# Altium PCB Acquisition-System_V1.0.PcbDoc (part 3 of 5)
Units mil, origin at the board's own origin, x right, y up, seen from the top; angles counter-clockwise.
Board outline 4370.08 x 5629.92 mil, 4 copper layers (Top Layer, Mid-Layer 1, Mid-Layer 2, Bottom Layer), stack 62.135 mil thick; 241 components, 167 nets, 1010 pads, 677 vias.
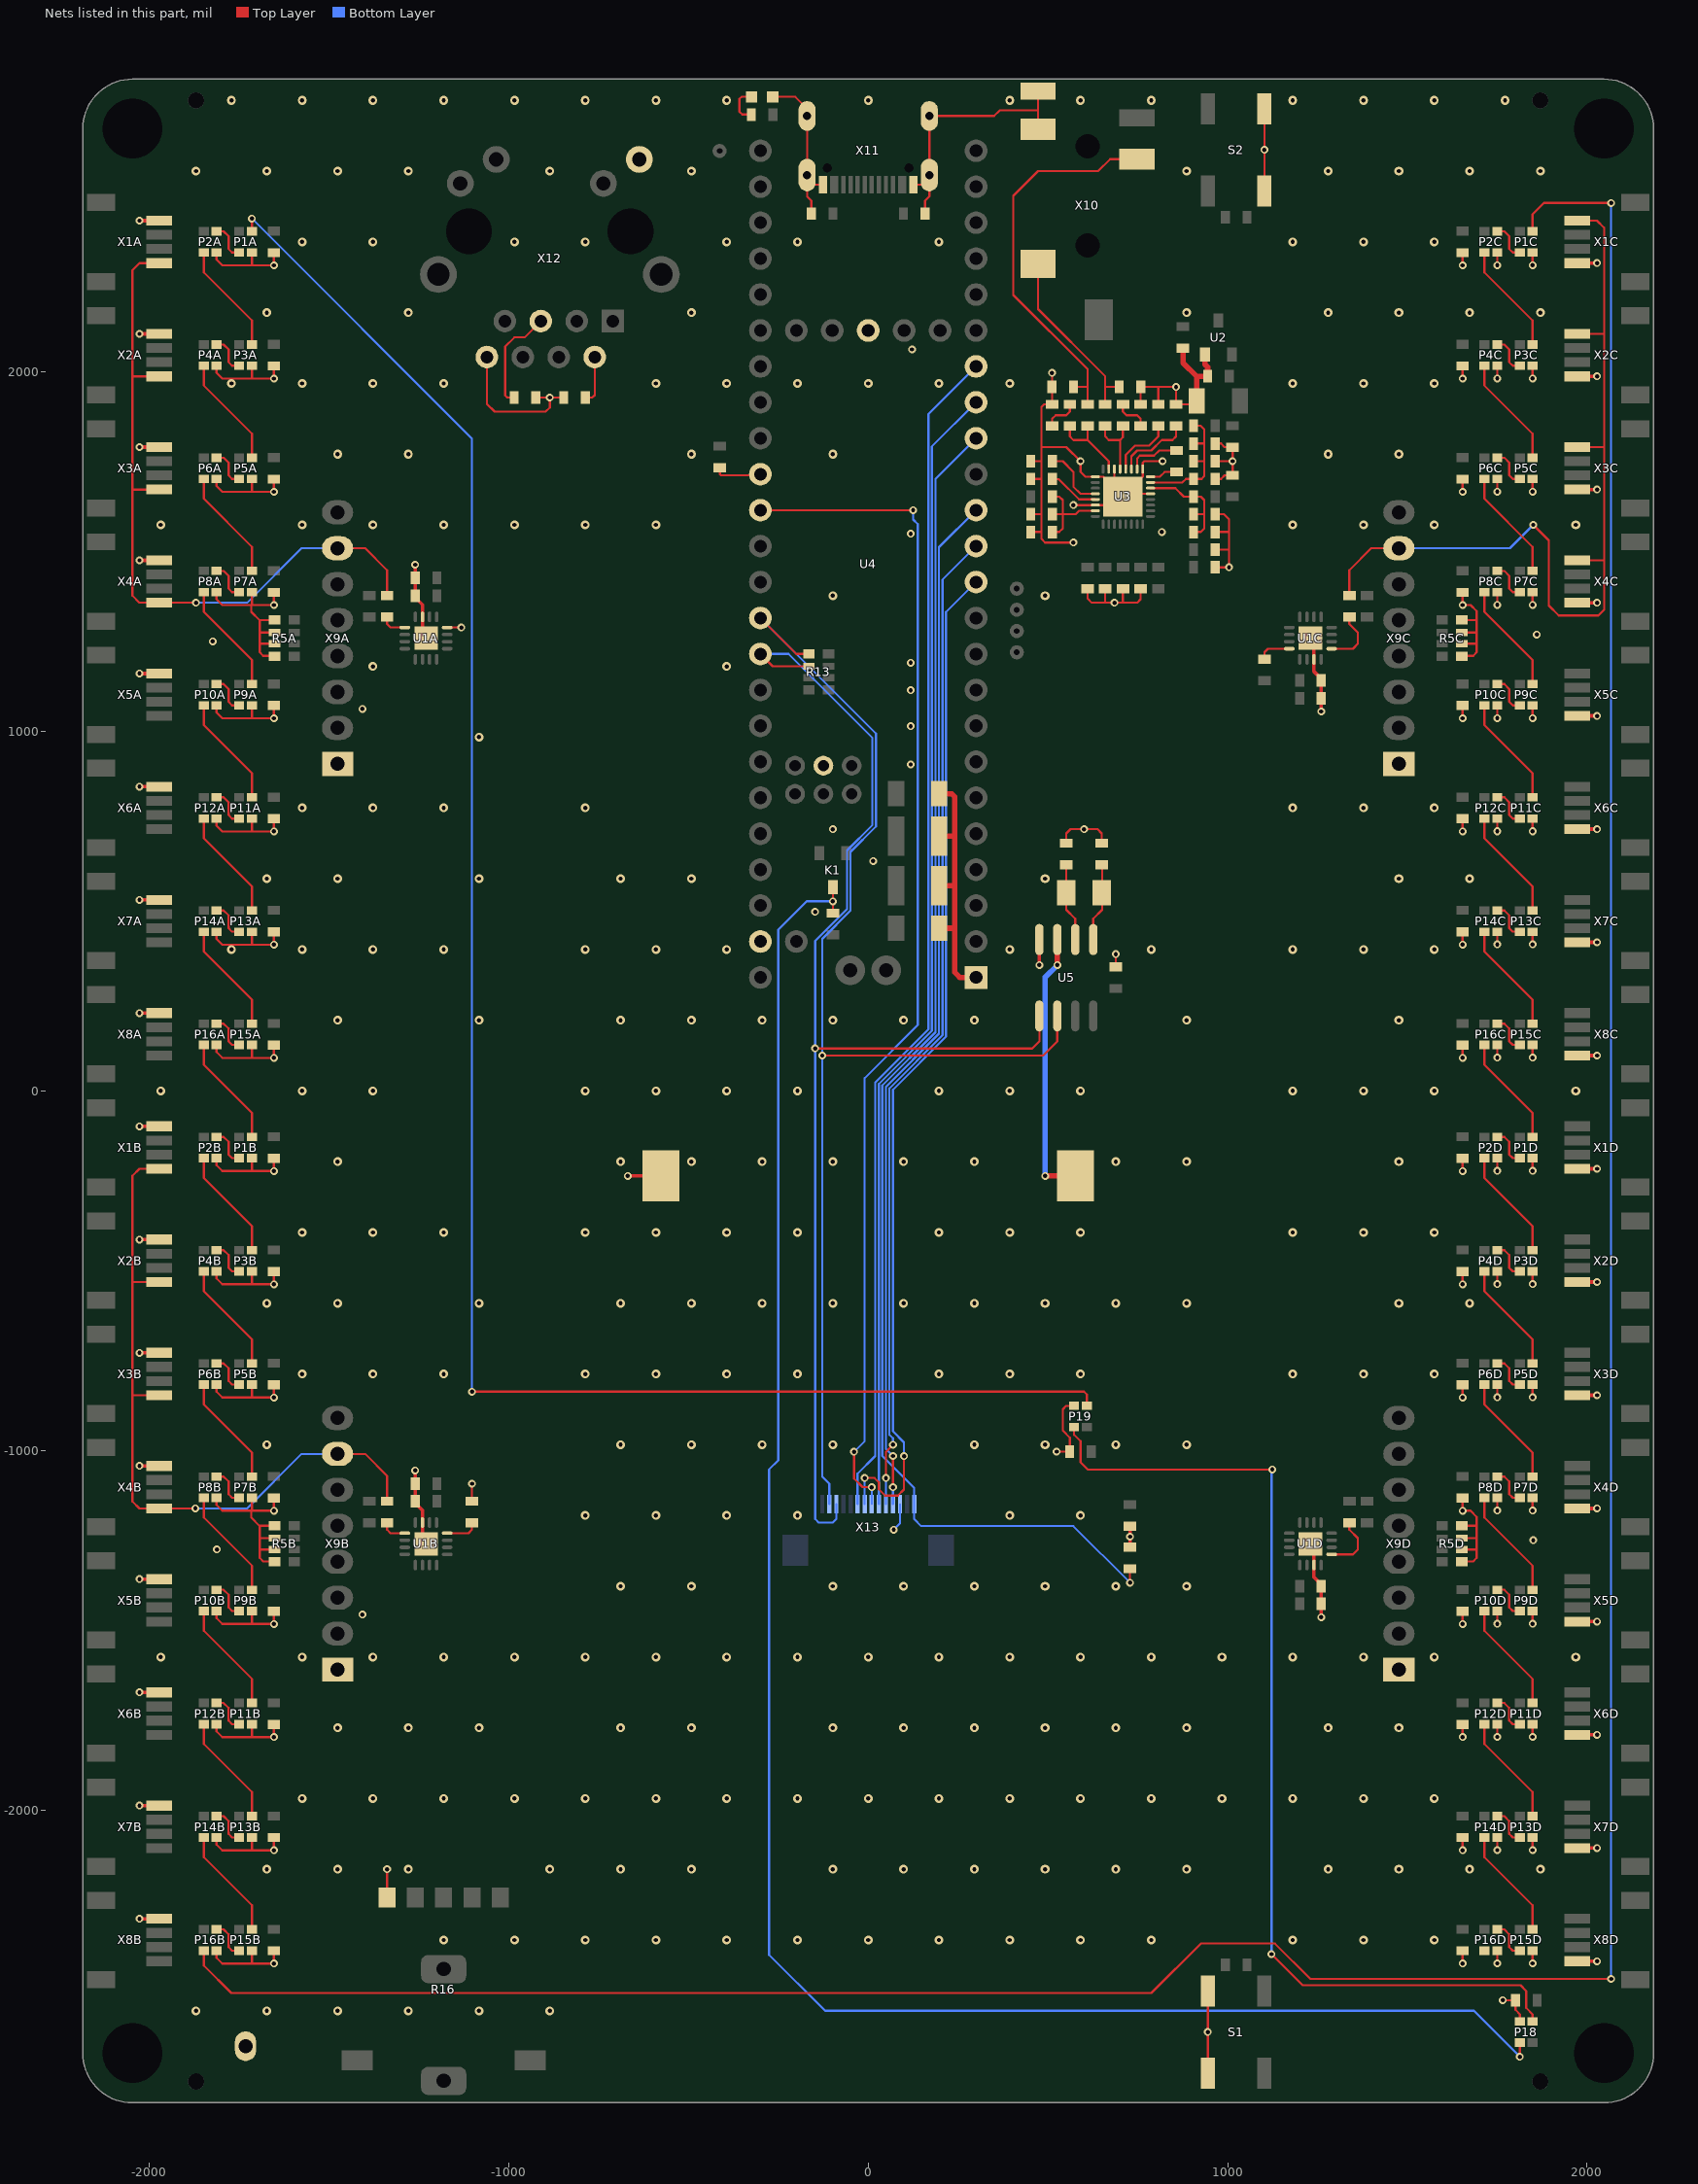
[diagram p5: the nets of this part, all layers, seen from the top]

## Via types
v1: diameter 21.65, hole 11.81, Top Layer to Bottom Layer, tented both sides, 388 vias
v2: diameter 24.41, hole 11.81, Top Layer to Bottom Layer, tented both sides, 289 vias

## Nets (pads, with @x,y where several pads share a name; then routed paths per layer and width w, separated by ;. In a path a pad name is that pad's centre, name@x,y a point inside that pad or via, vN(x,y) a via of type N, cw(c..) or ccw(c..) an arc to the next point about the centre after c; other vN are vias at no path point) (continued)
GND: BAT1.2 C1A.1 C1B.1 C1C.1 C1D.1 C2A.1 C2B.1 C2C.1 C2D.1 C3A.1 C3B.1 C3C.1 C3D.1 C4A.1 C4B.1 C4C.1 C4D.1 C5A.1 C5B.1 C5C.1 C5D.1 C6A.1 C6B.1 C6C.1 C6D.1 C7A.1 C7B.1 C7C.1 C7D.1 C8A.1 C8B.1 C8C.1 C8D.1 C9A.1 C9B.1 C9C.1 C9D.1 C10A.1 C10B.1 C10C.1 C10D.1 C11.1 C12.1 C13.1 C14.1 C15.1 C16.1 C17.1 C18.1 C19.1 C20.1 C21.1 C22.1 C23.1 C24.1 C26.1 C27.1 C28.1 C29.1 C30.1 C31.1 C32.2 C33.2 C34.M C35.1 C36.M C37.1 C38.1 C39.1 C40.1 C41.1 C42.1 C43.1 C44.1 C45.2 C46.2 P1A.3 P1B.3 P1C.3 P1D.3 P2A.3 P2B.3 P2C.3 P2D.3 P3A.3 P3B.3 P3C.3 P3D.3 P4A.3 P4B.3 P4C.3 P4D.3 P5A.3 P5B.3 P5C.3 P5D.3 P6A.3 P6B.3 P6C.3 P6D.3 P7A.3 P7B.3 P7C.3 P7D.3 P8A.3 P8B.3 P8C.3 P8D.3 P9A.3 P9B.3 P9C.3 P9D.3 P10A.3 P10B.3 P10C.3 P10D.3 P11A.3 P11B.3 P11C.3 P11D.3 P12A.3 P12B.3 P12C.3 P12D.3 P13A.3 P13B.3 P13C.3 P13D.3 P14A.3 P14B.3 P14C.3 P14D.3 P15A.3 P15B.3 P15C.3 P15D.3 P16A.3 P16B.3 P16C.3 P16D.3 P17.K P18.3 P19.3 R1.1 R5A.5 R5A.6 R5A.7 R5A.8 R5B.5 R5B.6 R5B.7 R5B.8 R5C.5 R5C.6 R5C.7 R5C.8 R5D.5 R5D.6 R5D.7 R5D.8 R9.1 R10.1 R11.1 R12.1 R14.2 R15.2 R16.CW R20.1 S1.2 S2.2 TP6.1 U1A.12 U1A.15 U1A.PAD U1B.15 U1B.PAD U1C.15 U1C.PAD U1D.15 U1D.PAD U2.1 U3.5 U3.9 U3.14 U3.17 U3.22 U3.PAD U4.1 U4.34 U4.47 U4.52 U4.57 U5.4 X1A.1 X1B.1 X1C.1 X1D.1 X2A.1 X2B.1 X2C.1 X2D.1 X3A.1 X3B.1 X3C.1 X3D.1 X4A.1 X4B.1 X4C.1 X4D.1 X5A.1 X5B.1 X5C.1 X5D.1 X6A.1 X6B.1 X6C.1 X6D.1 X7A.1 X7B.1 X7C.1 X7D.1 X8A.1 X8B.1 X8C.1 X8D.1 X9A.1 X9B.1 X9C.1 X9D.1 X10.1 X10.6 X11.A1B12 X11.B1A12 X11.G1 X11.G2 X11.G3 X11.G4 X12.8 X12.9 X13.12 | length 16475.9
  Top Layer w6: P16B.3@-1812.99,-2391.73 -1812.99,-2411.42 -1796.77,-2427.64 -1716.54,-2427.64 ; P14B.3@-1812.99,-2076.77 -1812.99,-2096.46 -1796.77,-2112.68 -1716.54,-2112.68 ; P12B.3@-1812.99,-1761.81 -1812.99,-1781.5 -1796.77,-1797.72 -1716.54,-1797.72 ; P10B.3@-1812.99,-1446.85 -1812.99,-1466.54 -1796.77,-1482.76 -1716.54,-1482.76 ; P8B.3@-1812.99,-1131.89 -1812.99,-1151.57 -1796.77,-1167.79 -1716.54,-1167.79 ; P6B.3@-1812.99,-816.93 -1812.99,-836.61 -1796.77,-852.83 -1716.54,-852.83 ; P4B.3@-1812.99,-501.97 -1812.99,-521.65 -1796.77,-537.87 -1716.54,-537.87 ; P2B.3@-1812.99,-187.01 -1812.99,-206.69 -1796.77,-222.91 -1716.54,-222.91 ; P16A.3@-1812.99,127.95 -1812.99,108.27 -1796.77,92.05 -1716.54,92.05 ; P14A.3@-1812.99,442.91 -1812.99,423.23 -1796.77,407.01 -1716.54,407.01 ; P12A.3@-1812.99,757.87 -1812.99,738.19 -1796.77,721.97 -1716.54,721.97 ; P10A.3@-1812.99,1072.83 -1812.99,1053.15 -1796.77,1036.93 -1716.54,1036.93 ; P8A.3@-1812.99,1387.8 -1812.99,1368.11 -1796.77,1351.89 -1716.54,1351.89 ; P6A.3@-1812.99,1702.76 -1812.99,1683.07 -1796.77,1666.85 -1716.54,1666.85 ; P4A.3@-1812.99,2017.72 -1812.99,1998.03 -1796.77,1981.81 -1716.54,1981.81 ; P2A.3@-1812.99,2332.68 -1812.99,2312.99 -1796.77,2296.77 -1716.54,2296.77 ; P15B.3@-1714.57,-2391.73 -1714.57,-2425.67 -1716.54,-2427.64 ; P13B.3@-1714.57,-2076.77 -1714.57,-2110.71 -1716.54,-2112.68 ; P11B.3@-1714.57,-1761.81 -1714.57,-1795.75 -1716.54,-1797.72 ; P9B.3@-1714.57,-1446.85 -1714.57,-1480.79 -1716.54,-1482.76 ; P7B.3@-1714.57,-1131.89 -1714.57,-1165.83 -1716.54,-1167.79 ; P5B.3@-1714.57,-816.93 -1714.57,-850.87 -1716.54,-852.83 ; P3B.3@-1714.57,-501.97 -1714.57,-535.91 -1716.54,-537.87 ; P1B.3@-1714.57,-187.01 -1714.57,-220.94 -1716.54,-222.91 ; P15A.3@-1714.57,127.95 -1714.57,94.02 -1716.54,92.05 ; P13A.3@-1714.57,442.91 -1714.57,408.98 -1716.54,407.01 ; P11A.3@-1714.57,757.87 -1714.57,723.94 -1716.54,721.97 ; P9A.3@-1714.57,1072.83 -1714.57,1038.9 -1716.54,1036.93 ; P7A.3@-1714.57,1387.8 -1714.57,1353.86 -1716.54,1351.89 ; P5A.3@-1714.57,1702.76 -1714.57,1668.82 -1716.54,1666.85 ; P3A.3@-1714.57,2017.72 -1714.57,1983.78 -1716.54,1981.81 ; P1A.3@-1714.57,2332.68 -1714.57,2298.74 -1716.54,2296.77 ; C10B.1@-1653.54,-2392.2 v1(-1653.54,-2427.64) -1716.54,-2427.64 ; C9B.1@-1653.54,-2077.24 v1(-1653.54,-2112.68) -1716.54,-2112.68 ; C8B.1@-1653.54,-1762.28 v1(-1653.54,-1797.72) -1716.54,-1797.72 ; C7B.1@-1653.54,-1447.32 v1(-1653.54,-1482.76) -1716.54,-1482.76 ; C6B.1@-1653.54,-1132.36 v1(-1653.54,-1167.79) -1716.54,-1167.79 ; C5B.1@-1653.54,-817.4 v1(-1653.54,-852.83) -1716.54,-852.83 ; C4B.1@-1653.54,-502.44 v1(-1653.54,-537.87) -1716.54,-537.87 ; C3B.1@-1653.54,-187.48 v1(-1653.54,-222.91) -1716.54,-222.91 ; C10A.1@-1653.54,127.48 v1(-1653.54,92.05) -1716.54,92.05 ; C9A.1@-1653.54,442.44 v1(-1653.54,407.01) -1716.54,407.01 ; C8A.1@-1653.54,757.4 v1(-1653.54,721.97) -1716.54,721.97 ; C7A.1@-1653.54,1072.36 v1(-1653.54,1036.93) -1716.54,1036.93 ; C6A.1@-1653.54,1387.32 v1(-1653.54,1351.89) -1716.54,1351.89 ; C5A.1@-1653.54,1702.28 v1(-1653.54,1666.85) -1716.54,1666.85 ; C4A.1@-1653.54,2017.24 v1(-1653.54,1981.81) -1716.54,1981.81 ; C3A.1@-1653.54,2332.21 v1(-1653.54,2296.77) -1716.54,2296.77 ; R5B.8@-1652.56,-1309.06 -1683.07,-1309.06 -1692.91,-1299.21 -1692.91,-1275.59 ; R5B.7@-1651.57,-1275.59 -1692.91,-1275.59 ; R5B.6@-1651.57,-1244.09 -1691.93,-1244.09 -1692.91,-1243.11 ; R5B.5@-1651.57,-1209.65 -1691.93,-1209.65 -1692.91,-1210.63 ; R5A.8@-1651.57,1209.65 -1652.56,1210.63 -1683.07,1210.63 -1692.91,1220.47 -1692.91,1244.09 ; R5A.7@-1651.57,1244.09 -1692.91,1244.09 ; R5A.6@-1651.57,1275.59 -1691.93,1275.59 -1692.91,1276.57 ; R5A.5@-1651.57,1310.04 -1691.93,1310.04 -1692.91,1309.06 ; R16.CW@-1338.58,-2244.09 v1(-1338.58,-2165.35) ; U1A.12@-1171.26,1289.37 v1(-1131.89,1289.37) ; R1.1@-1102.36,-1141.26 v1(-1102.36,-1092.52) ; X12.8@-1060.83,2041.73 -1060.83,1911.22 -1039.37,1889.76 -897.64,1889.76 -885.83,1901.57 v1(-885.83,1929.13) ; C39.1@-924.72,1929.13 v1(-885.83,1929.13) ; C38.1@-846.93,1929.13 v1(-885.83,1929.13) ; C40.1@-413.39,1733.78 -412.65,1733.04 -412.65,1716.11 -409.13,1712.6 -303.15,1712.6 U4.34@-300,1715.75 ; P17.K@-265.75,2765.75 -202.76,2765.75 -170.08,2733.07 X11.G3@-170.08,2712.6 X11.G4@-170.08,2548.03 X11.G4@-170.08,2540.71 ; R14.2@-157.95,2440.94 -157.95,2476.85 -170.08,2488.98 X11.G4@-170.08,2540.71 ; X11.B1A12@-125.98,2521.65 -151.03,2521.65 X11.G4@-170.08,2540.71 ; X11.A1B12@125.98,2521.65 151.03,2521.65 X11.G2@170.08,2540.71 ; R15.2@157.95,2440.95 157.95,2476.85 170.08,2488.98 X11.G2@170.08,2540.71 ; C19.1@452.28,1555.12 482.28,1555.12 ; C18.1@452.28,1604.33 482.28,1604.33 ; C29.1@452.28,1702.76 482.28,1702.76 ; C28.1@452.28,1751.97 482.28,1751.97 ; X10.1@472.44,2675.2 472.44,2728.35 ; X10.6@472.44,2781.5 472.44,2728.35 ; v1(511.34,1997.56) C32.2@511.34,1958.66 C30.1@511.34,1910.39 ; C30.1@511.81,1909.92 C30.1@511.34,1910.39 ; v1(524.1,-1003.46) C43.1@561.02,-1003.46 ; C45.2@551.18,689.45 551.18,716.53 562.99,728.35 v1(600.39,728.35) 637.8,728.35 649.61,716.54 C46.2@649.61,689.45 ; C43.1@560.55,-1003.94 C43.1@561.02,-1003.46 ; v1(570.87,1525.59) 492.13,1525.59 482.28,1535.43 482.28,1555.12 ; v1(570.87,1629.92) U3.22@631.89,1629.92 685.04,1629.92 U3.PAD@708.66,1653.54 ; P19.3@572.83,-875.98 551.18,-875.98 541.34,-885.83 541.34,-944.88 561.02,-964.57 C43.1@561.02,-1003.46 ; R12.1@610.24,1397.17 610.24,1370.08 622.05,1358.27 661.42,1358.27 ; R10.1@659.45,1397.17 659.45,1360.24 661.42,1358.27 ; U3.14@685.04,1730.31 U3.PAD@685.04,1677.17 ; C44.1@688.98,344.96 v1(688.98,380.39) ; R11.1@708.66,1397.17 708.66,1358.27 ; R9.1@757.87,1397.17 757.87,1368.11 748.03,1358.27 708.66,1358.27 ; C31.1@757.87,1909.92 757.87,1958.19 C33.2@758.35,1958.66 807.32,1958.66 ; U3.5@785.43,1661.42 U3.PAD@716.54,1661.42 ; C26.1@807.09,1909.92 807.09,1958.43 807.32,1958.66 ; v1(818.9,1751.97) 767.72,1751.97 763.78,1748.03 U3.9@763.78,1730.31 763.78,1708.66 U3.PAD@716.54,1661.42 ; 913.38,1988.19 914.41,1987.16 ; C17.1@914.41,1919.29 905.04,1909.92 C27.1@856.3,1909.92 v1(856.3,1958.66) 807.32,1958.66 ; S1.2@944.88,-2732.28 v1(944.88,-2618.11) S1.2@944.88,-2503.94 ; C14.1@965.04,1456.69 v1(1003.94,1456.69) 1003.94,1507.87 ; C13.1@965.04,1505.9 1001.97,1505.9 1003.94,1507.87 ; C21.1@965.04,1555.12 1001.97,1555.12 ; C20.1@965.04,1604.33 990.16,1604.33 1003.94,1590.55 1003.94,1507.87 ; C23.1@965.04,1751.97 v1(1013.78,1751.97) ; C24.1@966.02,1702.76 981.3,1702.76 991.61,1713.07 C11.1@1014.76,1713.07 ; C22.1@966.02,1801.18 981.3,1801.18 991.61,1790.87 C12.1@1013.78,1790.87 ; C11.1@1013.78,1713.07 v1(1013.78,1751.97) ; C12.1@1014.76,1790.87 C12.1@1013.78,1790.87 ; S2.2@1102.36,2503.94 S2.2@1102.36,2732.28 ; R5D.7@1651.57,-1275.59 1692.91,-1275.59 ; R5D.6@1651.57,-1244.09 1691.93,-1244.09 1692.91,-1243.11 ; R5D.5@1651.57,-1209.65 1691.93,-1209.65 1692.91,-1210.63 ; R5C.7@1651.57,1244.09 1692.91,1244.09 ; R5C.6@1651.57,1275.59 1691.93,1275.59 1692.91,1276.57 ; R5C.5@1651.57,1310.04 1691.93,1310.04 1692.91,1309.06 ; R5D.8@1652.56,-1309.05 1683.07,-1309.05 1692.91,-1299.21 1692.91,-1275.59 ; R5C.8@1652.56,1210.63 1683.07,1210.63 1692.91,1220.47 1692.91,1244.09 ; v1(1653.54,-2427.64) C10D.1@1653.54,-2392.2 ; v1(1653.54,-2112.68) C9D.1@1653.54,-2077.24 ; v1(1653.54,-1797.72) C8D.1@1653.54,-1762.28 ; v1(1653.54,-1482.76) C7D.1@1653.54,-1447.32 ; C6D.1@1653.54,-1132.36 v1(1653.54,-1167.79) 1675.67,-1167.79 1692.91,-1185.04 1692.91,-1210.63 ; v1(1653.54,-852.83) C5D.1@1653.54,-817.4 ; v1(1653.54,-537.87) C4D.1@1653.54,-502.44 ; v1(1653.54,-222.91) C3D.1@1653.54,-187.48 ; v1(1653.54,92.05) C10C.1@1653.54,127.48 ; v1(1653.54,407.01) C9C.1@1653.54,442.44 ; v1(1653.54,721.97) C8C.1@1653.54,757.4 ; v1(1653.54,1036.93) C7C.1@1653.54,1072.36 ; C6C.1@1653.54,1387.32 v1(1653.54,1351.89) 1675.67,1351.89 1692.91,1334.65 1692.91,1309.06 ; v1(1653.54,1666.85) C5C.1@1653.54,1702.28 ; v1(1653.54,1981.81) C4C.1@1653.54,2017.24 ; v1(1653.54,2296.77) C3C.1@1653.54,2332.21 ; v1(1750,-2427.17) P16D.3@1750,-2391.73 ; v1(1750,-2112.2) P14D.3@1750,-2076.77 ; v1(1750,-1797.24) P12D.3@1750,-1761.81 ; v1(1750,-1482.28) P10D.3@1750,-1446.85 ; v1(1750,-1167.32) P8D.3@1750,-1131.89 ; v1(1750,-852.36) P6D.3@1750,-816.93 ; v1(1750,-537.4) P4D.3@1750,-501.97 ; v1(1750,-222.44) P2D.3@1750,-187.01 ; v1(1750,92.52) P16C.3@1750,127.95 ; v1(1750,407.48) P14C.3@1750,442.91 ; v1(1750,722.44) P12C.3@1750,757.87 ; v1(1750,1037.4) P10C.3@1750,1072.83 ; v1(1750,1352.36) P8C.3@1750,1387.8 ; v1(1750,1667.32) P6C.3@1750,1702.76 ; v1(1750,1982.28) P4C.3@1750,2017.72 ; v1(1750,2297.24) P2C.3@1750,2332.68 ; v1(1765.28,-2529.53) C42.1@1800.71,-2529.53 1800.71,-2556.61 1812.99,-2568.9 P18.3@1812.99,-2588.58 ; v1(1848.43,-2427.17) P15D.3@1848.43,-2391.73 ; v1(1848.43,-2112.2) P13D.3@1848.43,-2076.77 ; v1(1848.43,-1797.24) P11D.3@1848.43,-1761.81 ; v1(1848.43,-1482.28) P9D.3@1848.43,-1446.85 ; v1(1848.43,-1167.32) P7D.3@1848.43,-1131.89 ; v1(1848.43,-852.36) P5D.3@1848.43,-816.93 ; v1(1848.43,-537.4) P3D.3@1848.43,-501.97 ; v1(1848.43,-222.44) P1D.3@1848.43,-187.01 ; v1(1848.43,92.52) P15C.3@1848.43,127.95 ; v1(1848.43,407.48) P13C.3@1848.43,442.91 ; v1(1848.43,722.44) P11C.3@1848.43,757.87 ; v1(1848.43,1037.4) P9C.3@1848.43,1072.83 ; v1(1848.43,1352.36) P7C.3@1848.43,1387.8 ; v1(1848.43,1667.32) P5C.3@1848.43,1702.76 ; v1(1848.43,1982.28) P3C.3@1848.43,2017.72 ; v1(1848.43,2297.24) P1C.3@1848.43,2332.68 ; -1716.54,-1167.79 -1716.54,-1187.01 -1692.91,-1210.63 ; -1716.54,1351.89 -1716.54,1332.68 -1692.91,1309.06 ; -1692.91,-1275.59 -1692.91,-1243.11 ; -1692.91,-1243.11 -1692.91,-1210.63 ; -1692.91,1244.09 -1692.91,1276.57 ; -1692.91,1276.57 -1692.91,1309.06 ; X11.G2@170.08,2540.71 X11.G2@170.08,2548.03 X11.G1@170.08,2712.6 350.39,2712.6 366.14,2728.35 472.44,2728.35 ; 482.28,1555.12 482.28,1604.33 ; 482.28,1604.33 482.28,1702.76 ; 482.28,1702.76 482.28,1751.97 ; 482.28,1751.97 482.28,1791.34 ; 482.28,1791.34 482.28,1903.54 489.13,1910.39 C30.1@511.34,1910.39 ; 482.28,1791.34 551.18,1791.34 v1(590.55,1751.97) 590.55,1722.44 604.33,1708.66 U3.17@631.89,1708.66 649.61,1708.66 653.54,1708.66 U3.PAD@685.04,1677.17 ; 661.42,1358.27 708.66,1358.27 ; U3.PAD@685.04,1677.17 U3.PAD@708.66,1653.54 ; U3.PAD@708.66,1653.54 U3.PAD@716.54,1661.42 ; v1(1013.78,1751.97) C12.1@1013.78,1790.87 ; 1692.91,-1275.59 1692.91,-1243.11 ; 1692.91,-1243.11 1692.91,-1210.63 ; 1692.91,1244.09 1692.91,1276.57 ; 1692.91,1276.57 1692.91,1309.06
  Top Layer w10: v1(-2027.56,-2303.15) X8B.1@-1972.44,-2303.15 ; v1(-2027.56,-1988.19) X7B.1@-1972.44,-1988.19 ; v1(-2027.56,-1673.23) X6B.1@-1972.44,-1673.23 ; v1(-2027.56,-1358.27) X5B.1@-1972.44,-1358.27 ; v1(-2027.56,-1043.31) X4B.1@-1972.44,-1043.31 ; v1(-2027.56,-728.35) X3B.1@-1972.44,-728.35 ; v1(-2027.56,-413.39) X2B.1@-1972.44,-413.39 ; v1(-2027.56,-98.43) X1B.1@-1972.44,-98.43 ; v1(-2027.56,216.54) X8A.1@-1972.44,216.54 ; v1(-2027.56,531.5) X7A.1@-1972.44,531.5 ; v1(-2027.56,846.46) X6A.1@-1972.44,846.46 ; v1(-2027.56,1161.42) X5A.1@-1972.44,1161.42 ; v1(-2027.56,1476.38) X4A.1@-1972.44,1476.38 ; v1(-2027.56,1791.34) X3A.1@-1972.44,1791.34 ; v1(-2027.56,2106.3) X2A.1@-1972.44,2106.3 ; v1(-2027.56,2421.26) X1A.1@-1972.44,2421.26 ; v1(-1260.31,-1055.59) C2B.1@-1260.31,-1092.52 C1B.1@-1260.31,-1141.73 -1260.31,-1146.73 -1240.16,-1166.89 U1B.15@-1240.16,-1200.79 -1240.16,-1250 U1B.PAD@-1230.31,-1259.84 ; v1(-1260.31,1464.1) C2A.1@-1260.31,1427.17 C1A.1@-1260.31,1377.95 -1260.31,1372.95 -1240.16,1352.8 U1A.15@-1240.16,1318.9 -1240.16,1269.69 U1A.PAD@-1230.31,1259.84 ; v1(-669.29,-236.22) BAT1.2@-576.77,-236.22 ; v1(476.18,350.39) U5.4@476.18,421.26 ; R20.1@728.35,-1269.21 v1(728.35,-1240.16) C41.1@728.35,-1211.1 ; U1D.PAD@1230.32,-1259.84 1240.16,-1269.68 U1D.15@1240.16,-1318.9 1240.16,-1352.8 1260.31,-1372.95 C1D.1@1260.31,-1377.95 C2D.1@1260.31,-1427.17 v1(1260.31,-1464.09) ; U1C.PAD@1230.32,1259.84 1240.16,1250 U1C.15@1240.16,1200.79 1240.16,1166.89 1260.31,1146.73 C1C.1@1260.31,1141.73 C2C.1@1260.31,1092.52 v1(1260.31,1055.59) ; X8D.1@1972.44,-2421.26 v1(2027.56,-2421.26) ; X7D.1@1972.44,-2106.3 v1(2027.56,-2106.3) ; X6D.1@1972.44,-1791.34 v1(2027.56,-1791.34) ; X5D.1@1972.44,-1476.38 v1(2027.56,-1476.38) ; X4D.1@1972.44,-1161.42 v1(2027.56,-1161.42) ; X3D.1@1972.44,-846.46 v1(2027.56,-846.46) ; X2D.1@1972.44,-531.5 v1(2027.56,-531.5) ; X1D.1@1972.44,-216.54 v1(2027.56,-216.54) ; X8C.1@1972.44,98.43 v1(2027.56,98.43) ; X7C.1@1972.44,413.39 v1(2027.56,413.39) ; X6C.1@1972.44,728.35 v1(2027.56,728.35) ; X5C.1@1972.44,1043.31 v1(2027.56,1043.31) ; X4C.1@1972.44,1358.27 v1(2027.56,1358.27) ; X3C.1@1972.44,1673.23 v1(2027.56,1673.23) ; X2C.1@1972.44,1988.19 v1(2027.56,1988.19) ; X1C.1@1972.44,2303.15 v1(2027.56,2303.15)
  Top Layer w15: C35.1@197.8,452.76 240.16,452.76 ; C34.M@197.8,570.87 240.16,570.87 ; C36.M@197.8,708.66 240.16,708.66 ; C37.1@197.8,826.77 232.28,826.77 240.16,818.9 240.16,708.66 ; U4.1@300,315.75 299.67,316.08 254.79,316.08 240.16,330.71 240.16,452.76 ; C15.1@875.98,2066.46 875.98,2025.59 913.38,1988.19 C16.1@944.41,1988.19 ; C17.1@914.41,1919.29 914.41,1987.16 ; U2.1@937.01,2047.24 937.01,2021.65 944.41,2014.25 C16.1@944.41,1988.19 ; C16.1@944.41,1986.22 C16.1@944.41,1988.19 ; 240.16,452.76 240.16,570.87 ; 240.16,570.87 240.16,708.66
  Bottom Layer w6: v1(70.87,-1220.47) 88.58,-1202.76 X13.12@88.58,-1149.61
  other v1: -1407.48,-1456.69 -1812.01,-1275.59 1850.39,-1250 -147.64,498.03 13.78,639.76 -98.43,728.35 118.11,908.46 118.11,1014.76 -1407.48,1062.99 118.11,1114.76 118.11,1191.14 -1823.82,1250.98 1860.24,1269.69 685.04,1358.27 118.11,1550.2 816.93,1555.12 122.05,2062.99 1102.36,2618.11
  other v2: -1870.08,-2559.06 -1673.23,-2559.06 -1476.38,-2559.06 -1279.53,-2559.06 -1082.68,-2559.06 -885.83,-2559.06 -1181.1,-2362.2 -984.25,-2362.2 -787.4,-2362.2 -590.55,-2362.2 -393.7,-2362.2 -196.85,-2362.2 0,-2362.2 196.85,-2362.2 393.7,-2362.2 590.55,-2362.2 787.4,-2362.2 1181.1,-2362.2 1377.95,-2362.2 1574.8,-2362.2 -1673.23,-2165.35 -1476.38,-2165.35 -1279.53,-2165.35 -885.83,-2165.35 -688.98,-2165.35 -492.13,-2165.35 -98.43,-2165.35 98.43,-2165.35 295.28,-2165.35 492.13,-2165.35 688.98,-2165.35 885.83,-2165.35 1279.53,-2165.35 1476.38,-2165.35 1673.23,-2165.35 1870.08,-2165.35 -1574.8,-1968.5 -1377.95,-1968.5 -1181.1,-1968.5 -984.25,-1968.5 -787.4,-1968.5 -590.55,-1968.5 -393.7,-1968.5 -196.85,-1968.5 0,-1968.5 196.85,-1968.5 393.7,-1968.5 590.55,-1968.5 787.4,-1968.5 984.25,-1968.5 1181.1,-1968.5 1377.95,-1968.5 1574.8,-1968.5 -1476.38,-1771.65 -1279.53,-1771.65 -1082.68,-1771.65 -688.98,-1771.65 -492.13,-1771.65 -98.43,-1771.65 98.43,-1771.65 295.28,-1771.65 492.13,-1771.65 688.98,-1771.65 885.83,-1771.65 1279.53,-1771.65 1476.38,-1771.65 -1968.5,-1574.8 -1574.8,-1574.8 -1377.95,-1574.8 -1181.1,-1574.8 -984.25,-1574.8 -787.4,-1574.8 -590.55,-1574.8 -393.7,-1574.8 -196.85,-1574.8 0,-1574.8 196.85,-1574.8 393.7,-1574.8 590.55,-1574.8 787.4,-1574.8 984.25,-1574.8 1181.1,-1574.8 1377.95,-1574.8 1574.8,-1574.8 1968.5,-1574.8 -688.98,-1377.95 -492.13,-1377.95 -98.43,-1377.95 98.43,-1377.95 295.28,-1377.95 492.13,-1377.95 688.98,-1377.95 885.83,-1377.95 -787.4,-1181.1 -590.55,-1181.1 -393.7,-1181.1 -196.85,-1181.1 393.7,-1181.1 590.55,-1181.1 -1673.23,-984.25 -688.98,-984.25 -492.13,-984.25 -295.28,-984.25 -98.43,-984.25 295.28,-984.25 492.13,-984.25 688.98,-984.25 885.83,-984.25 -1574.8,-787.4 -1377.95,-787.4 -1181.1,-787.4 -787.4,-787.4 -590.55,-787.4 -393.7,-787.4 -196.85,-787.4 196.85,-787.4 393.7,-787.4 590.55,-787.4 1181.1,-787.4 1377.95,-787.4 1574.8,-787.4 -1673.23,-590.55 -1476.38,-590.55 -1082.68,-590.55 -688.98,-590.55 -492.13,-590.55 -295.28,-590.55 -98.43,-590.55 98.43,-590.55 295.28,-590.55 492.13,-590.55 688.98,-590.55 885.83,-590.55 1476.38,-590.55 1673.23,-590.55 -1574.8,-393.7 -1377.95,-393.7 -1181.1,-393.7 -787.4,-393.7 -590.55,-393.7 -393.7,-393.7 -196.85,-393.7 196.85,-393.7 393.7,-393.7 590.55,-393.7 1181.1,-393.7 1377.95,-393.7 1574.8,-393.7 -1476.38,-196.85 -688.98,-196.85 -492.13,-196.85 -295.28,-196.85 -98.43,-196.85 98.43,-196.85 295.28,-196.85 688.98,-196.85 885.83,-196.85 1476.38,-196.85 -1968.5,0 -1574.8,0 -1377.95,0 -787.4,0 -590.55,0 -393.7,0 -196.85,0 196.85,0 393.7,0 590.55,0 1181.1,0 1377.95,0 1574.8,0 1968.5,0 -1476.38,196.85 -1082.68,196.85 -688.98,196.85 -492.13,196.85 -295.28,196.85 -98.43,196.85 98.43,196.85 295.28,196.85 885.83,196.85 1476.38,196.85 -1771.65,393.7 -1574.8,393.7 -1377.95,393.7 -1181.1,393.7 -787.4,393.7 -590.55,393.7 -393.7,393.7 393.7,393.7 787.4,393.7 1181.1,393.7 1377.95,393.7 1574.8,393.7 -1673.23,590.55 -1476.38,590.55 -1082.68,590.55 -688.98,590.55 -492.13,590.55 492.13,590.55 1476.38,590.55 1673.23,590.55 -1574.8,787.4 -1377.95,787.4 -1181.1,787.4 -787.4,787.4 1181.1,787.4 1377.95,787.4 1574.8,787.4 -1082.68,984.25 -1377.95,1181.1 -393.7,1181.1 -98.43,1377.95 492.13,1377.95 -1968.5,1574.8 -1574.8,1574.8 -1377.95,1574.8 -1181.1,1574.8 -984.25,1574.8 -787.4,1574.8 -590.55,1574.8 1181.1,1574.8 1377.95,1574.8 1574.8,1574.8 1968.5,1574.8 -1476.38,1771.65 -1279.53,1771.65 -492.13,1771.65 -98.43,1771.65 1279.53,1771.65 1476.38,1771.65 -1771.65,1968.5 -1574.8,1968.5 -1377.95,1968.5 -1181.1,1968.5 -590.55,1968.5 -393.7,1968.5 -196.85,1968.5 0,1968.5 196.85,1968.5 393.7,1968.5 1181.1,1968.5 1377.95,1968.5 1574.8,1968.5 -1673.23,2165.35 -1279.53,2165.35 -492.13,2165.35 885.83,2165.35 1279.53,2165.35 1476.38,2165.35 1673.23,2165.35 1870.08,2165.35 -1574.8,2362.2 -1377.95,2362.2 -984.25,2362.2 -787.4,2362.2 -393.7,2362.2 -196.85,2362.2 196.85,2362.2 1181.1,2362.2 1377.95,2362.2 1574.8,2362.2 -1870.08,2559.06 -1673.23,2559.06 -1476.38,2559.06 -1279.53,2559.06 -885.83,2559.06 -492.13,2559.06 885.83,2559.06 1279.53,2559.06 1476.38,2559.06 1673.23,2559.06 1870.08,2559.06 -1771.65,2755.91 -1574.8,2755.91 -1377.95,2755.91 -1181.1,2755.91 -984.25,2755.91 -787.4,2755.91 -590.55,2755.91 -393.7,2755.91 0,2755.91 393.7,2755.91 590.55,2755.91 787.4,2755.91 1181.1,2755.91 1377.95,2755.91 1574.8,2755.91 1771.65,2755.91